# Altium PCB IPG.PcbDoc (part 4 of 10)
Units mm, origin at the board's own origin, x right, y up, seen from the top; angles counter-clockwise.
Board outline 69.6 x 90.73 mm, 10 copper layers (TOP, DHOR, DVERT, GND 1, POWER, GND 2, GND 3, AVERT, AHOR, BOT), stack 1.062 mm thick; 727 components, 391 nets, 2009 pads, 3077 vias.
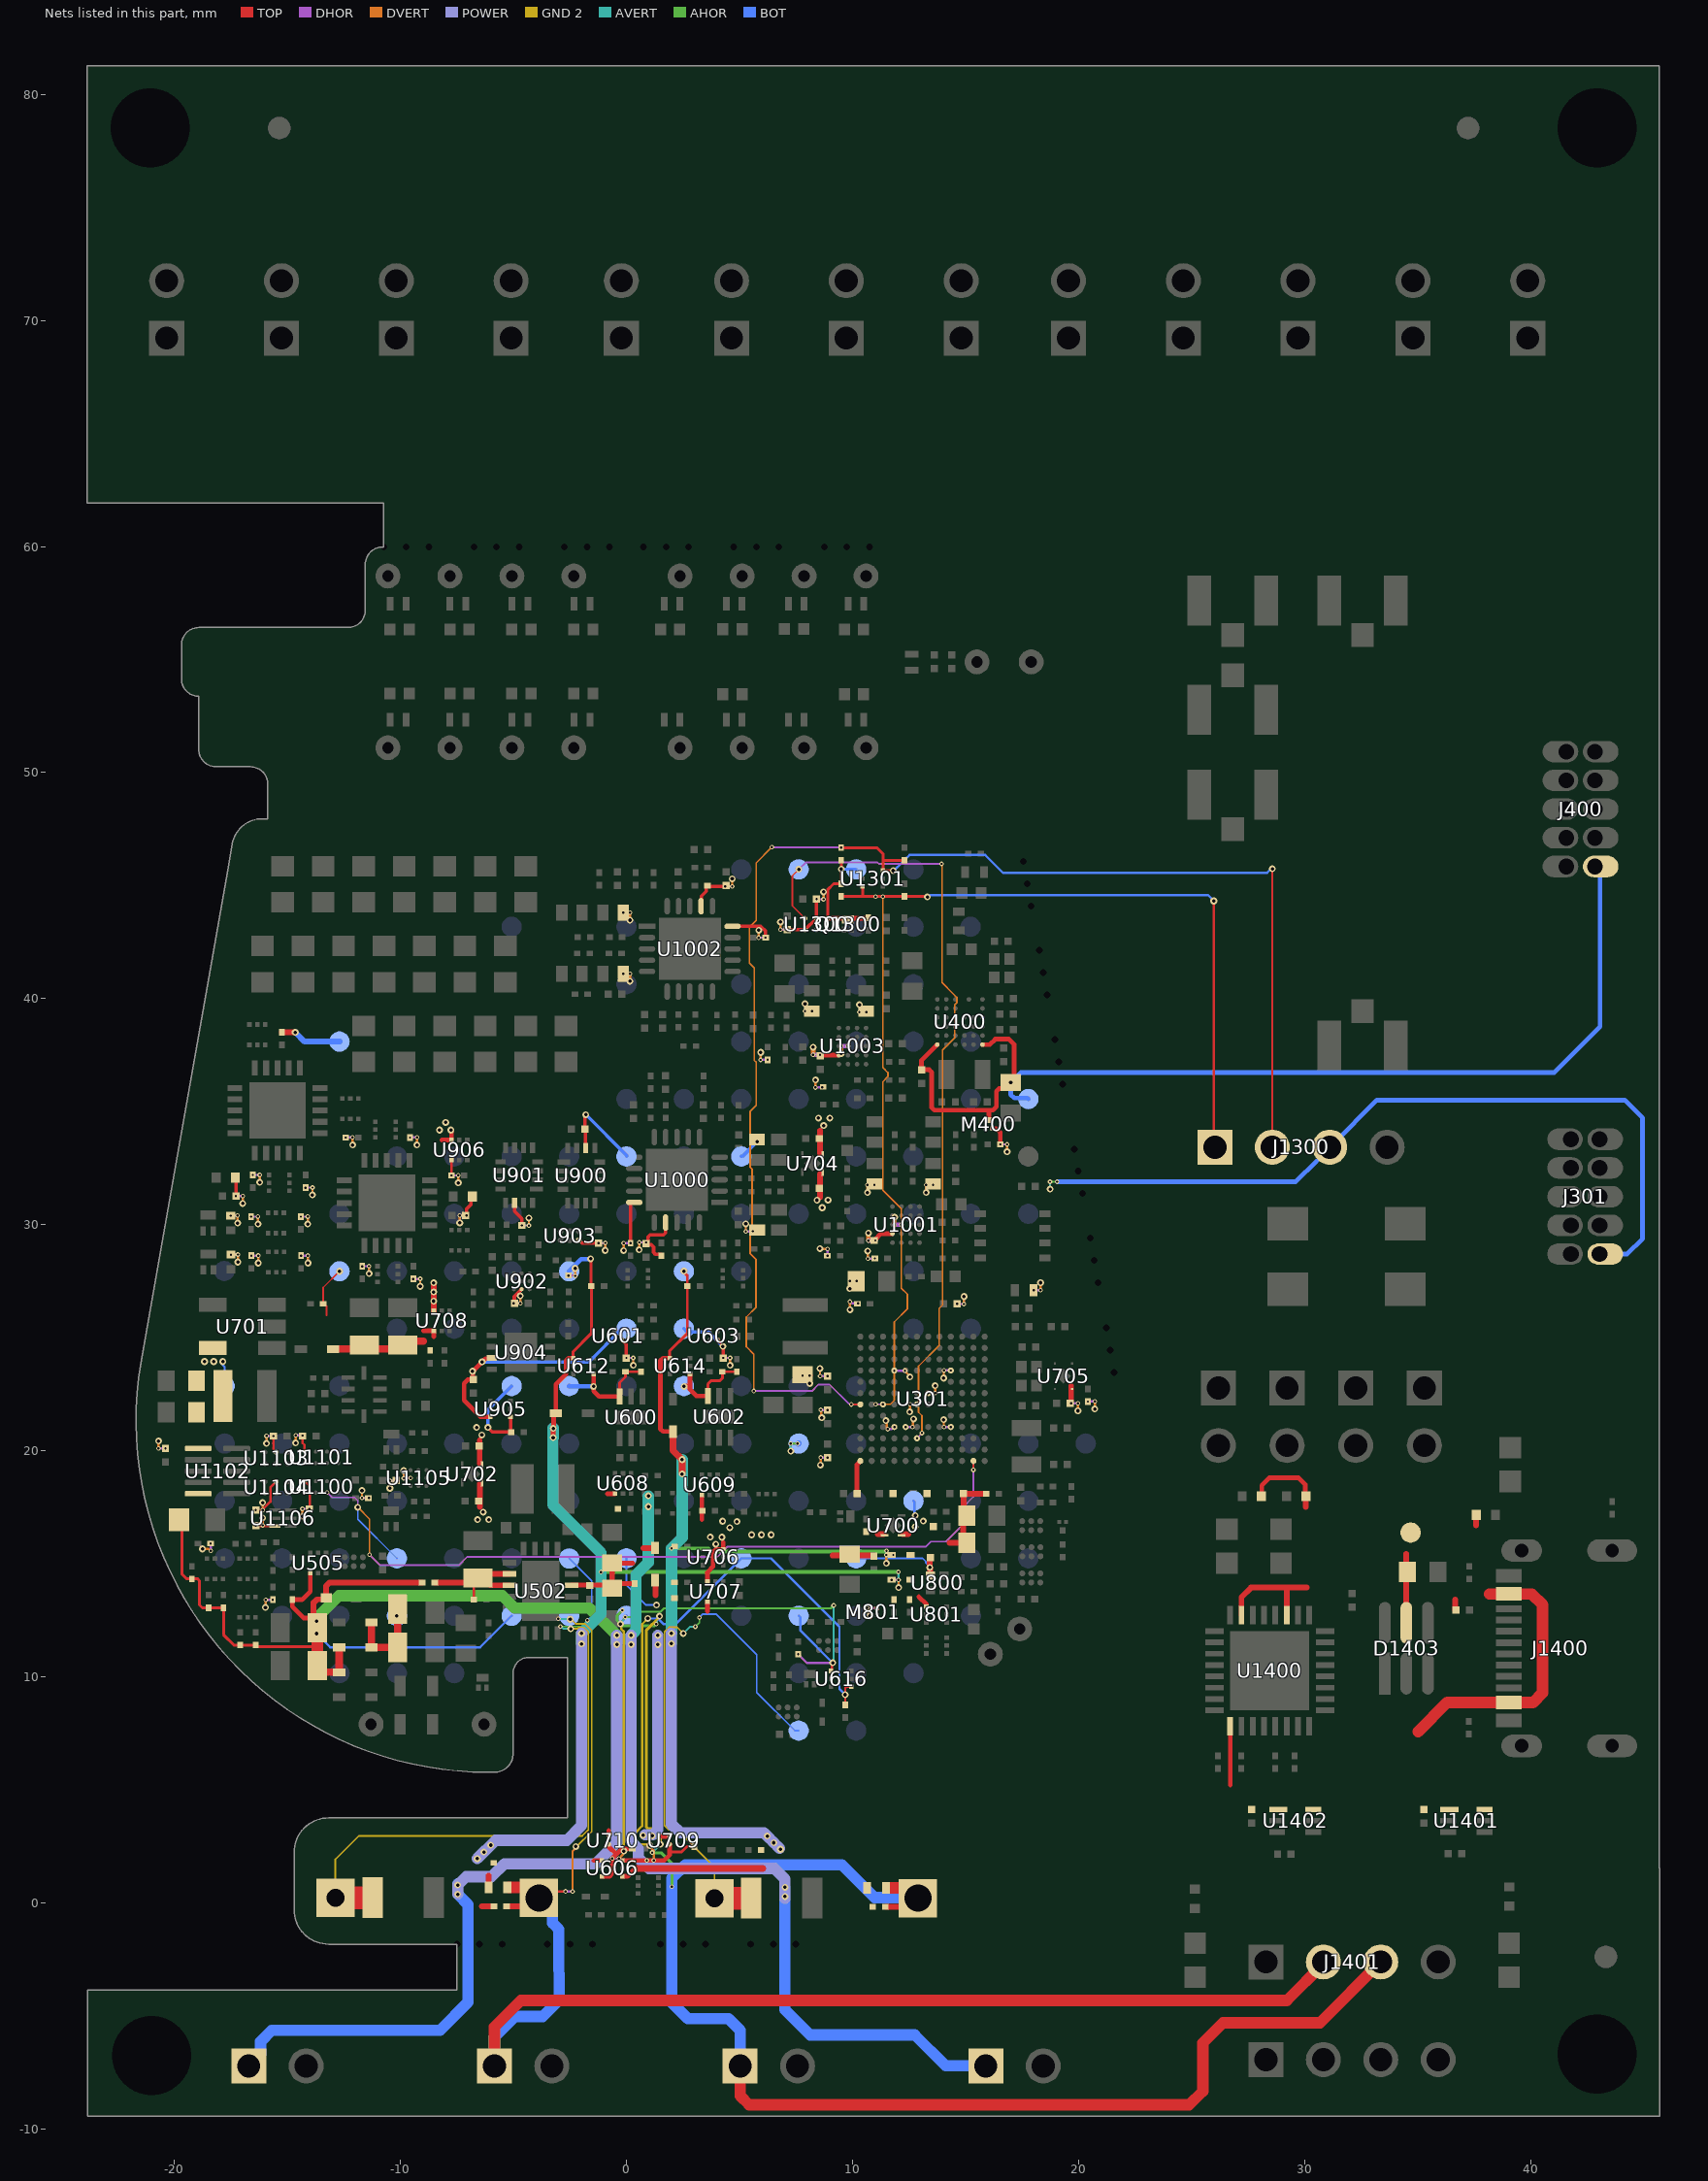
[diagram p12: the nets of this part, all layers, seen from the top]

## Part data (continued)
R1302 R1303 R1304: "Fixed Resistor, Metal Glaze/thick Film, 0.05W, 6800ohm, 30V, 1% +/-Tol, 200ppm/Cel, Surface Mount, 0201", Case/Package=0201, Manufacturer=Vishay, Max Operating Temperature=155°C, Medical Grade MFR=Mini-Systems, Medical Grade MFR PN=MWA96SM-6801F-NS62TR, Min Operating Temperature=-55°C, Package Height=0.23mm, Package Length=0.6mm, Package Shape=Rectangular, Package Style=SMTMeter, Package Width=0.3mm, Power=50mW, Rated Temperature=70°C, Resistor Type="FIXED RESISTOR", Supplier Part Number=541-CRCW02016K80FNEDCT-ND, Temperature Coefficient=200ppm/°C, Tolerance=1%, Working Voltage=30V, Category="Chip SMD Resistors", ComponentLink1Description=https://datasheet.ciiva.com:443/pdfs/VipMasterIC/IC/VISH/VISH-S-A0002932828/VISH-S-A0002932828-1.pdf?src-supplier=IHS+Markit, ComponentLink1URL=https://datasheet.ciiva.com:443/pdfs/VipMasterIC/IC/VISH/VISH-S-A0002932828/VISH-S-A0002932828-1.pdf?src-supplier=IHS+Markit, ComponentLink2Description=https://datasheet.ciiva.com/2577/crcw0201e3-2577241.pdf?src-supplier=Digikey, ComponentLink2URL=https://datasheet.ciiva.com/2577/crcw0201e3-2577241.pdf?src-supplier=Digikey, ComponentLink3Description=https://datasheet.ciiva.com/9060/crcw0201e3-9060860.pdf?src-supplier=Avnet, ComponentLink3URL=https://datasheet.ciiva.com/9060/crcw0201e3-9060860.pdf?src-supplier=Avnet, ComponentLink4Description=https://datasheet.ciiva.com/22674/1700795-22674684.pdf?src-supplier=Element14, ComponentLink4URL=https://datasheet.ciiva.com/22674/1700795-22674684.pdf?src-supplier=Element14, ComponentLink5Description=https://datasheet.ciiva.com/22700/1719906-22700351.pdf?src-supplier=Element14, ComponentLink5URL=https://datasheet.ciiva.com/22700/1719906-22700351.pdf?src-supplier=Element14, ComponentLink6Description=https://datasheet.ciiva.com/7672/1719906-7672744.pdf?src-supplier=Element14, ComponentLink6URL=https://datasheet.ciiva.com/7672/1719906-7672744.pdf?src-supplier=Element14, ComponentLink7Description=https://datasheet.ciiva.com/7672/1719906-7672745.pdf?src-supplier=Element14, ComponentLink7URL=https://datasheet.ciiva.com/7672/1719906-7672745.pdf?src-supplier=Element14, Construction=Chip, JESD-609 Code=e3, Manufacturer Part Number=CRCW02016K80FNED, Mounting Technology="Surface Mount", Packaging="Tape and Reel", Pins=2, Pricing="1=0,1, 10=0,037, 50=0,0242, 100=0,0204, 500=0,01426, 1000=0,01241, 5000=0,00924 (USD)", Reach SVHC Compliant=Yes, Reference Standard=AEC-Q200, RoHS=Yes, RoHS Compliant=Yes, Stock=40938, Supplier=Digikey, Supplier 1=Digikey, Supplier Part Number 1=541-CRCW02016K80FNEDCT-ND, Technology="METAL GLAZE/THICK FILM", Terminal Finish=Nickel, Termination=Wraparound
R1400 R1403 R1407 R1408 R1411: "Resistor 200 1%, 0402, Non Implant-grade", Manufacturer=Vishay, Medical Grade Manufacturer=None, Power="200 mW", Supplier Part Number=TBD, Supplier Part Number 1=71-CRCW0402200RFKEDH, Temperature Coefficient="100 ppm/°C", Tolerance=1%, Voltage Rating=50V, Category=Resistor, Height=0.3mm, Length=1mm, Manufacturer Part Number=CRCW0402200RFKEDHP, Medical Grade Manufacturer Part Number=None, Size Code=0402, Supplier=TBD, Supplier 1=Mouser, Supplier 2=Digikey, Supplier 3=Digikey, Supplier 4=Digikey, Supplier Part Number 2=541-200YCT-ND, Supplier Part Number 3=541-200YDKR-ND, Supplier Part Number 4=541-200YTR-ND, Width=0.5mm
R1405 R1409: "Fixed Resistor, Metal Glaze/thick Film, 0.05W, 5110ohm, 30V, 1% +/-Tol, 200ppm/Cel, Surface Mount, 0201", Case/Package=0201, Manufacturer=Vishay, Max Operating Temperature=155°C, Medical Grade MFR=Mini-Systems, Medical Grade MFR PN=MWA96SM-5111F-NS62TR, Min Operating Temperature=-55°C, Package Height=0.23mm, Package Length=0.6mm, Package Shape=Rectangular, Package Style=SMTMeter, Package Width=0.3mm, Power=50mW, Rated Temperature=70°C, Resistor Type="FIXED RESISTOR", Supplier Part Number=541-CRCW02015K11FNEDCT-ND, Temperature Coefficient=200ppm/°C, Tolerance=1%, Working Voltage=30V, Category="Chip SMD Resistors", ComponentLink1Description=https://datasheet.ciiva.com:443/pdfs/VipMasterIC/IC/VISH/VISH-S-A0002932828/VISH-S-A0002932828-1.pdf?src-supplier=IHS+Markit, ComponentLink1URL=https://datasheet.ciiva.com:443/pdfs/VipMasterIC/IC/VISH/VISH-S-A0002932828/VISH-S-A0002932828-1.pdf?src-supplier=IHS+Markit, ComponentLink2Description=https://datasheet.ciiva.com/2577/crcw0201e3-2577232.pdf?src-supplier=Digikey, ComponentLink2URL=https://datasheet.ciiva.com/2577/crcw0201e3-2577232.pdf?src-supplier=Digikey, ComponentLink3Description=https://datasheet.ciiva.com/9067/crcw0201e3-9067501.pdf?src-supplier=Avnet, ComponentLink3URL=https://datasheet.ciiva.com/9067/crcw0201e3-9067501.pdf?src-supplier=Avnet, ComponentLink4Description=https://datasheet.ciiva.com/22707/1719906-22707711.pdf?src-supplier=Element14, ComponentLink4URL=https://datasheet.ciiva.com/22707/1719906-22707711.pdf?src-supplier=Element14, ComponentLink5Description=https://datasheet.ciiva.com/7690/1719906-7690629.pdf?src-supplier=Element14, ComponentLink5URL=https://datasheet.ciiva.com/7690/1719906-7690629.pdf?src-supplier=Element14, Construction=Chip, JESD-609 Code=e3, Manufacturer Part Number=CRCW02015K11FNED, Mounting Technology="Surface Mount", Packaging="Tape and Reel", Pins=2, Pricing="1=0,1, 10=0,037, 50=0,0242, 100=0,0204, 500=0,01426, 1000=0,01241, 5000=0,00924 (USD)", Reach SVHC Compliant=Yes, Reference Standard=AEC-Q200, RoHS=Yes, RoHS Compliant=Yes, Stock=23740, Supplier=Digikey, Supplier 1=Digikey, Supplier Part Number 1=541-CRCW02015K11FNEDCT-ND, Technology="METAL GLAZE/THICK FILM", Terminal Finish=Nickel, Termination=Wraparound
R1500 R1501: "Fixed Resistor, Metal Glaze/thick Film, 0.2W, 499ohm, 50V, 1% +/-Tol, 100ppm/Cel, Surface Mount, 0402", Case/Package=0402, Manufacturer="Vishay Dale", Manufacturer Series=CRCW-HPE3, Max Operating Temperature=155°C, Medical Grade MFR=TBD, Min Operating Temperature=-55°C, Package Height=0.3mm, Package Length=1mm, Package Shape=Rectangular, Package Style=SMTMeter, Package Width=0.5mm, Power=200mW, Rated Temperature=70°C, Resistor Type="FIXED RESISTOR", Supplier Part Number=541-499YCT-ND, Supplier Part Number 1=71-CRCW0402499RFKEDH, Temperature Coefficient=100ppm/°C, Tolerance=1%, Working Voltage=50V, Category="Chip SMD Resistors", ComponentLink1Description=https://datasheet.ciiva.com:443/pdfs/VipMasterIC/IC/VISH/VISH-S-A0009391795/VISH-S-A0009391795-1.pdf?src-supplier=IHS+Markit, ComponentLink1URL=https://datasheet.ciiva.com:443/pdfs/VipMasterIC/IC/VISH/VISH-S-A0009391795/VISH-S-A0009391795-1.pdf?src-supplier=IHS+Markit, ComponentLink2Description=https://datasheet.ciiva.com/5540/crcwhpe3-46056-5540816.pdf?src-supplier=Mouser, ComponentLink2URL=https://datasheet.ciiva.com/5540/crcwhpe3-46056-5540816.pdf?src-supplier=Mouser, ComponentLink3Description=https://datasheet.ciiva.com/8932/crcwhpe3-8932421.pdf?src-supplier=Avnet, ComponentLink3URL=https://datasheet.ciiva.com/8932/crcwhpe3-8932421.pdf?src-supplier=Avnet, Construction=Chip, JESD-609 Code=e3, Manufacturer Part Number=CRCW0402499RFKEDHP, Medical Grade MFR PN=TBD, Mounting Technology="Surface Mount", Packaging="Tape and Reel", Pins=2, Pricing="1=0.13, 10=0.061, 50=0.0402, 100=0.0341, 500=0.024, 1000=0.02091, 5000=0.01572 (USD)", Reach SVHC Compliant=Yes, Reference Standard=AEC-Q200, RoHS=Yes, RoHS Compliant=Yes, Series="CRCW-HP E3", Stock=50100, Supplier=Digikey, Supplier 1=Mouser, Technology="METAL GLAZE/THICK FILM", Terminal Finish=Nickel, Termination=Wraparound
SW700: "Pushbutton, NO-MOM, 12V, 0.05A, SMT", Manufacturer=C&K, Package Description=SMT, Rating=12V,0.05A, Supplier Part Number 1=PTS647SN50SMTR2LFSCT-ND, Category=Pushbutton, Length (mm)="6.5 ±0.20", Manufacturer Part Number=PTS647SN50SMTR2LFS, Supplier 1=Digi-Key, Thickness (mm)="1.55 ±0.15", Width (mm)=4.5
TP300 TP301 TP302 TP303 TP304 TP305 TP400 TP401 TP402 TP403 TP404 TP405 TP406 TP500 TP501 TP502 TP503 TP504 TP505 TP506 TP507 TP508 TP509 TP510 TP511 TP512 TP513 TP514 TP515 TP600 TP601 TP602 TP603 TP604 TP605 TP606 TP607 TP608 TP609 TP610 TP611 TP612 TP613 TP614 TP615 TP616 TP617 TP618 TP619 TP620 TP621 TP622 TP623 TP624 TP625 TP626 TP627 TP628 TP629 TP630 TP631 TP632 TP633 TP634 TP635 TP700 TP701 TP702 TP703 TP704 TP705 TP706 TP707 TP708 TP709 TP710 TP711 TP712 TP713 TP714 TP800 TP801 TP802 TP803 TP900 TP901 TP902 TP903 TP904 TP905 TP906 TP907 TP908 TP909 TP910 TP1000 TP1001 TP1003 TP1004 TP1005 TP1006 TP1007 TP1008 TP1009 TP1010 TP1011 TP1012 TP1013 TP1014 TP1015 TP1016 TP1017 TP1018 TP1019 TP1020 TP1021 TP1100 TP1101 TP1104 TP1105 TP1107 TP1108 TP1109 TP1110 TP1111 TP1112 TP1113 TP1114 TP1115 TP1300 TP1301 TP1302 TP1402 TP1405 TP1406 TP1500 TP1501 TP1502: "Test pad, 0.90mm circular pad", Manufacturer=N/A, Category="Test point", Length (mm)=0.90, Manufacturer PN=N/A, Medical Grade MFR=N/A, Medical Grade MFR PN=N/A, PCB Footprint=testpad_0p90mm, Rating=N/A, Thickness (mm)=N/A, Width (mm)=0.90
U300: "FRAM, 8 Mbit (1024k x 8), SPI, 1.8-3.6V, QFN-8", Manufacturer="Cypress Semiconductor", Medical Grade MFR=TBD, Rating=3.6V, Category=IC, Length (mm)="3.28 ±0.05", Manufacturer Part Number=CY15B108QN-20LPXC, Medical Grade MFR PN=TBD, Package Description=TBD, PCB Footprint=TBD, Supplier 1=Heisener, Supplier Part Number 1=CY15B108QN-20LPXC, Thickness (mm)="0.50 ±0.05", Width (mm)="3.23 ±0.05"
U301: "Microcontroller, ARM Cortex-M33, 2.0 MB Flash, 786 kB RAM, BGA-132 pins with dedicated pinout supporting SMPS step-down converter", Manufacturer=STMicro, Medical Grade MFR=TBD, Supplier Part Number 1=511-STM32U585QII6Q, Category=IC, Length (mm)="7.00 ±0.15", Manufacturer Part Number=STM32U585QII6Q, Medical Grade MFR PN=TBD, Package Description=TBD, PCB Footprint=TBD, Rating=TBD, Supplier 1=Mouser, Thickness (mm)=0.60, Width (mm)="7.00 ±0.15"
U400: "Bluetooth radio, v5.0, 192 kB Flash, 24 kB RAM, BGA-33", Manufacturer=Nordic, Medical Grade MFR=TBD, Supplier Part Number 1=4823-NRF52810-CAAA-E-R7CT-ND, Category=IC, Length (mm)=2.48, Manufacturer Part Number=NRF52810-CAAA-E-R7, Medical Grade MFR PN=TBD, Package Description=TBD, PCB Footprint=TBD, Rating=TBD, Supplier 1=DigiKey, Thickness (mm)="0.48 ±0.06", Width (mm)=2.46
U500 U501 U503 U504 U604 U605 U903: "Op Amp, Rail-to-Rail, 95kHz, WLCSP-6", Manufacturer="Analog Devices", Medical Grade MFR=TBD, Rating=5.5V, Supplier Part Number 1=AD8505ACBZ-R7CT-ND, Category=IC, Length (mm)="1.39 ±0.04", Manufacturer Part Number=AD8505ACBZ-R7, Medical Grade MFR PN=TBD, Package Description=TBD, PCB Footprint=TBD, Supplier 1=Digi-Key, Thickness (mm)="0.56 ±0.05", Width (mm)="0.90 ±0.04"
U502: "Buck-Boost Converter, Selectable Voltage, QFN-20", Manufacturer="Analog Devices", Medical Grade MFR=TBD, Rating=25V, Supplier Part Number 1=LTC3130IUDC-1#PBF-ND, Category=IC, Length (mm)="4.00 ±0.10", Manufacturer Part Number=LTC3130IUDC-1#PBF, Medical Grade MFR PN=TBD, PackageDescription=TBD, PCB Footprint=TBD, Supplier 1=Digi-Key, Thickness (mm)="0.75 ±0.05", Width (mm)="3.00 ±0.10"
U505 U507 U608 U609 U706 U707 U708 U905 U906: "MOSFET N/P-CH 30V 0.22A SOT963", Manufacturer="Diodes inc.", Package=SOT-963, Power Dissipation=350mW, Supplier Part Number 1=DMC31D5UDJ-7DICT-ND, Category=Transistors, Cin=22.6pF, Id(Max)=-200mA, Manufacturer Part Number=DMC31D5UDJ-7, Number of Channels=2, RoHS="RoHS 2", Ron(Max)=4.5Ohm, Supplier 1=Digikey, Type="MOSFET array", Vds(Max)=30V, Vgs(Max)=±12V, Vth(Max)=-1.0V
U506 U508 U607 U610 U611 U613 U615 U802 U1301 U1502 U1503 U1504 U1505 U1506 U1507: "MOSFET 2N-CH 30V 0.22A SOT963", Manufacturer="Diodes inc.", Package=SOT-963, Power Dissipation=350mW, Supplier Part Number 1=31-DMN31D5UDJ-7CT-ND, Category=Transistors, Cin=22.6pF, Id(Max)=220mA, Manufacturer Part Number=DMN31D5UDJ-7, Number of Channels=2, RoHS="RoHS 2", Ron(Max)=4.5Ohm, Supplier 1=Digikey, Type="MOSFET array", Vds(Max)=30V, Vgs(Max)=±12V, Vth(Max)=1.0V
U600 U602: "Charge Controller, 4.2V, 250mA, DFN-6", Alt Manufacturer=-, Manufacturer="Linear Technology", Medical Grade MFR=TBD, Rating=250mA, Supplier Part Number 1=505-LTC4065LEDC#TRPBFCT-ND, Alt Manufacturer PN=-, Category=IC, Datasheet=https://datasheet.ciiva.com/pdfs/VipMasterIC/IC/ANDI/ANDI-S-A0006647666/ANDI-S-A0006647666-1.pdf?src-supplier=IHS+Markit, Length (mm)="2.00 ±0.10", Manufacturer Part Number=LTC4065LEDC#TRPBF, Medical Grade MFR PN=TBD, PCB Footprint=TBD, Supplier 1=Digi-Key, Supplier Link=https://www.analog.com/en/products/ltc4065l.html, Thickness (mm)="0.75 ±0.05", Width (mm)="2.00 ±0.10"
U601 U603: "Comparator, 1.2V Reference, Open-drain, BGA-4", Manufacturer="Texas Instruments", Medical Grade MFR=TBD, Supplier Part Number 1=296-TLV4021R1YKARCT-ND, Category=IC, Length (mm)="0.73 ±0.03", Manufacturer Part Number=TLV4021R1YKAR, Medical Grade MFR PN=TBD, Package Description=TBD, PCB Footprint=TBD, Rating=TBD, Supplier 1=Digi-Key, Thickness (mm)=0.40
U606 U612 U614 U616 U801: "MOSFET 2P-CH 20V 0.36A SOT963", Manufacturer="Diodes inc.", Package=SOT-963, Power Dissipation=380mW, Supplier Part Number 1=31-DMP22D5UDJ-7DKR-ND, Category=Transistors, Cin=17pF, Id(Max)=-360mA, Manufacturer Part Number=DMP22D5UDJ-7, Number of Channels=2, RoHS="RoHS 2", Ron(Max)=5Ohm, Supplier 1=Digikey, Type="MOSFET array", Vds(Max)=-20V, Vgs(Max)=±8V, Vth(Max)=-1.0V
U700 U702 U704: "LDO Regulator, 3.3V, Shutdown, DFN1010-4", Manufacturer="Diodes Inc", Medical Grade MFR=TBD, Rating=3.3V, Supplier Part Number 1=AP7354D-33FS4-7DICT-ND, Category=IC, Length (mm)="1.00 ±0.05", Manufacturer Part Number=AP7354D-33FS4-7, Medical Grade MFR PN=TBD, Package Description=TBD, PCB Footprint=TBD, Supplier 1=Digi-Key, Supplier Link=https://octopart.com/search?q=AP7354D-33FS4-7&filter%5Bfields%5D%5Bbrand.name%5D%5B%5D=Diodes+Inc.4-7, Thickness (mm)="0.39 ±0.01", Width (mm)="1.00 ±0.05"
U701: "Boost, SEPIC Switching Regulator IC Positive Adjustable 1.23V 1 Output 75mA (Switch) SOT-23-5", Manufacturer="Linear Technology", Medical Grade MFR=TBD, Rating="100 mA", Supplier Part Number 1=505-LT1615ES5-1#TRPBFCT-ND, Category=IC, Length (mm)="2.80 ±0.20", Manufacturer Part Number=LT1615ES5-1#TRPBF, Medical Grade MFR PN=TBD, Package Description=TBD, PCB Footprint=TBD, Supplier 1=Digi-Key, Thickness (mm)=1.00, Width (mm)="2.95 ±0.15"
U703: "Digital potentiometer, 256 taps, 100k, I2C, QFN-10", Manufacturer=Renesas, Medical Grade MFR=TBD, Supplier Part Number 1=ISL23315TFRUZ-T7ACT-ND, Category=IC, Length (mm)=2.10, Manufacturer Part Number=ISL23315TFRUZ-T7A, Medical Grade MFR PN=TBD, Package Description=TBD, PCB Footprint=TBD, Rating=TBD, Supplier 1=Digi-Key, Thickness (mm)=0.55, Width (mm)=1.60
U705: "Reset Monitor, 2.63V, Active low, X2SON", Manufacturer="Texas Instruments", Medical Grade MFR=TBD, Rating=N/A, Supplier Part Number 1=296-40754-1-ND, Category=IC, Length (mm)="1.00 ±0.05", Manufacturer Part Number=TPS3831L30DQNR, Medical Grade MFR PN=TBD, Package Description=TBD, PCB Footprint=TBD, Supplier 1=Digi-Key, Thickness (mm)=0.40, Width (mm)="1.00 ±0.05"
U709 U710: "OR Controller Source Selector Switch P-Channel 1:1 4-WLP (0.73x0.73)", Current - Output (Max)=1.2A, Manufacturer="Maxim Integrated", Supplier Part Number 1=MAX40200ANS+TCT-ND, Voltage - Supply="1.5V ~ 5.5V", Manufacturer Part Number=MAX40200ANS+T, Mounting Type=SMD, Supplier 1=Digikey
U800: "Magnet Sensor, 15 Gauss, ULLGA4, Implant-grade", Manufacturer=NVE, Medical Grade MFR PN=BD020-14E, Package Description=TBD, Rating=N/A, Supplier Part Number 1=391-ADL021-14ECT-ND, Category=IC, Length (mm)=1.10, Manufacturer Part Number=ADL021-14E, Medical Grade MFR=NVE, PCB Footprint=TBD, Supplier 1=Digi-Key, Thickness (mm)=0.40, Width (mm)=1.10
U900: "2 Circuit IC Switch 4:1 78Ohm 16-miniQFN (1.8x2.6)", Manufacturer Name=Vishay, Supplier Part Number 1=78-DG4052EEN-T1-GE4, Category=IC, Height=0.6mm, Manufacturer Part Number=DG4052EEN-T1-GE4, Supplier 1=Mouser, Supplier 2=Digikey, Supplier 3=Digikey, Supplier 4=Digikey, Supplier Part Number 2=DG4052EEN-T1-GE4CT-ND, Supplier Part Number 3=DG4052EEN-T1-GE4DKR-ND, Supplier Part Number 4=DG4052EEN-T1-GE4TR-ND, Type=Switch
U901: "2 Circuit IC Switch 4:1 78Ohm 16-miniQFN (1.8x2.6)", Manufacturer Name=Vishay, Supplier Part Number 1=78-DG4053EEN-T1-GE4, Category=IC, Height=0.6mm, Manufacturer Part Number=DG4053EEN-T1-GE4, Supplier 1=Mouser, Supplier 2=Digikey, Supplier 3=Digikey, Supplier 4=Digikey, Supplier Part Number 2=DG4053EEN-T1-GE4CT-ND, Supplier Part Number 3=DG4053EEN-T1-GE4DKR-ND, Supplier Part Number 4=DG4053EEN-T1-GE4TR-ND, Type=Switch
U902: library part TLV9002SIYCKR_B, "Op Amp, Dual, Rail-to-Rail, 1MHz, BGA-9", Manufacturer="Texas Instruments", Medical Grade MFR=TBD, Rating=5.5V, Supplier Part Number 1=595-TLV9002SIYCKR, Category=IC, Length (mm)="0.95 ±0.03", Manufacturer Part Number=TLV9002SIYCKR, Medical Grade MFR PN=TBD, Package Description=TBD, PCB Footprint=TBD, Supplier 1=Mouser, Thickness (mm)=0.33, Width (mm)="0.95 ±0.03"
U904: "Differential Amplifier, 110 MHz, DFN-8", Manufacturer="Analog Devices", Medical Grade MFR=TBD, Supplier Part Number 1=505-AD8137YCPZ-REEL7CT-ND, Category=IC, Length (mm)="3.00 ±0.10", Manufacturer Part Number=AD8137YCPZ-REEL7, Medical Grade MFR PN=TBD, Package Description=TBD, PCB Footprint=TBD, Rating=TBD, Supplier 1=Digi-Key, Thickness (mm)="0.75 ±0.05", Width (mm)="3.00 ±0.10"
U1000 U1002: "Analog Circuit, 1 Func, 1 Channel", Case/Package=HVQCCN, Current supply=170uA, Manufacturer="Analog Devices", Max Operating Temperature=85°C, Max Supply Voltage=3.5V, Min Operating Temperature=-40°C, Min Supply Voltage=2V, Nominal Supply Voltage=3V, Package Shape=Square, Package Style="CHIP CARRIER, HEAT SINK/SLUG, VERY THIN PROFILEMeter", Supplier Part Number=584-AD8232ACPZ-R7, Temperature Grade=INDUSTRIAL, Voltage supply=2-3.5V, Bandwidth=2kHz, Category="Amplifiers - Op Amps, Buffer, Instrumentation", Channels=1, CMRR=80dB, ComponentLink1Description=https://datasheet.ciiva.com:443/pdfs/VipMasterIC/IC/ANDI/ANDI-S-A0005264682/ANDI-S-A0005264682-1.pdf?src-supplier=IHS+Markit, ComponentLink1URL=https://datasheet.ciiva.com:443/pdfs/VipMasterIC/IC/ANDI/ANDI-S-A0005264682/ANDI-S-A0005264682-1.pdf?src-supplier=IHS+Markit, ComponentLink2Description=https://datasheet.ciiva.com/6579/ad8232-6579751.pdf?src-supplier=Digi-Key, ComponentLink2URL=https://datasheet.ciiva.com/6579/ad8232-6579751.pdf?src-supplier=Digi-Key, ComponentLink3Description=https://datasheet.ciiva.com/6579/ad8232-6579754.pdf?src-supplier=Digi-Key, ComponentLink3URL=https://datasheet.ciiva.com/6579/ad8232-6579754.pdf?src-supplier=Digi-Key, ComponentLink4Description=https://datasheet.ciiva.com/6579/ad8232-6579770.pdf?src-supplier=Digi-Key, ComponentLink4URL=https://datasheet.ciiva.com/6579/ad8232-6579770.pdf?src-supplier=Digi-Key, Gain=100V/V, Height - Seated (Max)=0.8mm, JESD-30 Code=S-XQCC-N20, Length=4mm, Manufacturer Part Number=AD8232ACPZ-R7, Pins=20, Pricing="1=4,71, 10=4,07, 50=4,07, 100=3,57, 1000=2,53, 10000=2,37 (USD)", Reach SVHC Compliant=Yes, RoHS=Yes, RoHS Compliant=Yes, Stock=3930, Supplier=Mouser, Supplier 1=Mouser, Supplier Part Number 1=584-AD8232ACPZ-R7, Surface Mount=Yes, Terminal Form="No Lead", Terminal Pitch=0.5mm, Terminal Position=QUAD, Throw Configuration="ANALOG CIRCUIT", Width=4mm
U1001 U1003: "Analog front end, ECG, RLD amp, BGA-20", Current supply=50uA, Manufacturer="Analog Devices", Medical Grade MFR=TBD, Supplier Part Number 1=505-AD8233ACBZ-R7CT-ND, Voltage supply=1.7-3.5V, Bandwidth=1kHz, Category=IC, CMRR=86dB, Gain=40dB, Length (mm)="2.04 ±0.04", Manufacturer Part Number=AD8233ACBZ-R7, Medical Grade MFR PN=TBD, Package Description=TBD, PCB Footprint=TBD, Rating=TBD, Supplier 1=Digi-Key, Thickness (mm)="0.50 ±0.06", Width (mm)="1.71 ±0.04"
U1100: "Monostable, RC set, dual triggers, BGA-8", Manufacturer="Texas Instruments", Medical Grade MFR=TBD, Supplier Part Number 1=296-21058-1-ND, Category=IC, Length (mm)="1.89 ±0.03", Manufacturer Part Number=SN74LVC1G123YZPR, Medical Grade MFR PN=TBD, Package Description=TBD, PCB Footprint=TBD, Rating=TBD, Supplier 1=Digi-Key, Thickness (mm)=0.50, Width (mm)="0.89 ±0.03"
U1101: "AND gate, Dual 2-input, BGA-8", Manufacturer="Texas Instruments", Medical Grade MFR=TBD, Supplier Part Number 1=296-14371-1-ND, Category=IC, Length (mm)="1.89 ±0.03", Manufacturer Part Number=SN74LVC2G08YZPR, Medical Grade MFR PN=TBD, Package Description=TBD, PCB Footprint=TBD, Rating=TBD, Supplier 1=Digi-Key, Thickness (mm)=0.50, Width (mm)="0.89 ±0.03"
U1102: "DAC, 16-bit, Dual channel, SPI/I2C, WSON-10", Manufacturer="Texas Instruments", Medical Grade MFR=N/A, Rating=2.7-5.5V, Supplier Part Number 1=296-DAC80502DRXTCT-ND, Category=IC, Length (mm)="2.50 ±0.10", Manufacturer Part Number=DAC80502DRXT, Medical Grade MFR PN=N/A, Package Description=N/A, PCB Footprint=N/A, Supplier 1=Digi-Key, Thickness (mm)="0.75 ±0.05", Width (mm)="2.50 ±0.10"
U1103 U1104 U1300: "Analog Switch, SPDT, 2:1, DSBGA6", Manufacturer="Texas Instruments", Medical Grade MFR=TBD, Rating=5.0V, Supplier Part Number 1=296-18671-1-ND, Category=IC, Length (mm)="1.39 ±0.03", Manufacturer Part Number=TS5A3159AYZPR, Medical Grade MFR PN=TBD, Package Description=TBD, PCB Footprint=TBD, Supplier 1=Digi-Key, Thickness (mm)="0.50 ±0.10", Width (mm)="0.89 ±0.03"
U1105: "Op Amp, Dual, Rail-to-Rail, 1MHz, BGA-9", Manufacturer="Texas Instruments", Medical Grade MFR=TBD, Rating=5.5V, Supplier Part Number 1=296-TLV9002SIYCKRCT-ND, Category=IC, Length (mm)="0.95 ±0.03", Manufacturer Part Number=TLV9002SIYCKR, Medical Grade MFR PN=TBD, Package Description=TBD, PCB Footprint=TBD, Supplier 1=Digi-Key, Thickness (mm)=0.33, Width (mm)="0.95 ±0.03"
U1106: "OR Gate IC 1 Channel 6-XSON, SOT1202 (1x1)", Manufacturer=Nexperia, Operating Supply Current="4 uA", Supplier Part Number=TBD, Supplier Part Number 1=771-74LVC1G32GS132, Category="Logic Gate", Height=0.46, Manufacturer Part Number=74LVC1G32GS,132, Mounting Type=SMD, Shutdown Capabilities=No, Supplier=TBD, Supplier 1=Mouser, Supplier 2=Digikey, Supplier 3=Digikey, Supplier 4=Digikey, Supplier Part Number 2=1727-74LVC1G32GS,132CT-ND, Supplier Part Number 3=1727-74LVC1G32GS,132DKR-ND, Supplier Part Number 4=1727-74LVC1G32GS,132TR-ND, Type=OR
U1400: "IC USB TO SERIAL BRIDGE 32QFN", Manufacturer=Infineon, Package=32-QFN, Supplier Part Number 1=CY7C65215-32LTXI-ND, Category=ICs, Manufacturer Part Number=CY7C65215-32LTXI, RoHS=Yes, Supplier 1=Digikey, Type="USB to Serial Bridge"
U1401 U1402: "Fixed Positive LDO Regulator, 3.7V, 0.375V Dropout, PDSO6", Case/Package=VSON, Manufacturer="Texas Instruments", Max Supply Voltage=5.5V, Min Input Voltage=2V, Operating Temperature, TJ-Max=125°C, Operating Temperature, TJ-Min=-40°C, Output Current1-Max=300mA, Output Voltage1-Max=3.774V, Output Voltage1-Min=3.626V, Output Voltage1-Nom=3.7V, Package Body Material=Plastic, Package Shape=Square, Package Style="SMALL OUTLINE, VERY THIN PROFILEMeter", Peak Reflow Temperature (Cel)=260°C, Supplier Part Number=296-TLV70237DSETCT-ND, Category="Voltage Regulators - Linear", Channels=1, ComponentLink1Description=https://www.ti.com:443/lit/ds/symlink/tlv702.pdf?src-supplier=IHS+Markit, ComponentLink1URL=https://www.ti.com:443/lit/ds/symlink/tlv702.pdf?src-supplier=IHS+Markit, ComponentLink2Description=http://www.ti.com/lit/ds/symlink/tlv702.pdf?src-supplier=Digi-Key, ComponentLink2URL=http://www.ti.com/lit/ds/symlink/tlv702.pdf?src-supplier=Digi-Key, ComponentLink3Description=http://www.ti.com/lit/ds/symlink/tlv70237.pdf?src-supplier=Avnet, ComponentLink3URL=http://www.ti.com/lit/ds/symlink/tlv70237.pdf?src-supplier=Avnet, Height - Seated (Max)=0.8mm, JESD-30 Code=S-PDSO-N6, JESD-609 Code=e4, Length=1.5mm, Manufacturer Part Number=TLV70237DSET, Moisture Sensitivity Level=1, Pins=6, Pricing="1=1,11, 10=0,992, 25=0,9416, 100=0,7736 (USD)", Reach SVHC Compliant=Yes, Regulator Type="FIXED POSITIVE SINGLE OUTPUT LDO REGULATOR", RoHS=Yes, RoHS Compliant=Yes, Stock=1935, Supplier=Digi-Key, Supplier 1=Digi-Key, Supplier Part Number 1=296-TLV70237DSETCT-ND, Surface Mount=Yes, Terminal Finish=Nickel, Terminal Form="No Lead", Terminal Pitch=0.5mm, Terminal Position=DUAL, Width=1.5mm
U1500 U1501: "IC SWITCH SPDTX4 4.5OHM 20LFCSP", Manufacturer="Analog Devices", Medical Grade MFR=N/A, Package Description=TBD, Supplier Part Number 1=505-ADG1634BCPZ-REEL7CT-ND, Category=IC, Length (mm)="4.00 ±0.10", Manufacturer Part Number=ADG1634BCPZ-REEL7, Medical Grade MFR PN=N/A, PCB Footprint=TBD, Rating=TBD, Supplier 1=Digi-Key, Thickness (mm)="0.75 ±0.05", Width (mm)="4.00 ±0.10"
X100 X101 X102 X103 X104 X105: "FIDUCIAL_MARK", Manufacturer PN=FIDUCIAL
X106 X107 X108: library part HOLE_UNPLATED, "Hole, Unplated"
Y300: "48 MHz Â±10ppm Crystal 10pF 100 Ohms 4-SMD, No Lead", Manufacturer="ECS Inc.", Medical Grade MFR=TBD, Package Description="4-SMD, No Lead", Rating=N/A, Supplier Part Number 1=XC3037CT-ND, Category=Crystal, Length (mm)=1.20, Manufacturer Part Number=ECS-480-10-48-CKY-TR, Medical Grade MFR PN=TBD, PCB Footprint=TBD, Supplier 1=Digi-Key, Thickness (mm)=0.33, Width (mm)=1.00
Y301 Y401: "CRYSTAL 32.7680KHZ 6PF SMD", Manufacturer="Micro Crystal", Medical Grade MFR PN=CC8V-T1A32.768kHz6.0pF±20ppmTAQM, Package Description=CC8V, Rating=N/A, Supplier Part Number 1=2195-CM8V-T1A-32.768KHZ-6PF-20PPM-TA-QCCT-ND, Category=Crystal, Length (mm)=2.00, Manufacturer Part Number=CM8V-T1A-32.768KHZ-6PF-20PPM-TA-QC, Medical Grade MFR="Micro Crystal", PCB Footprint=TBD, Review=020823, Status=Approved, Supplier 1=Digi-Key, Thickness (mm)=0.67, Width (mm)=1.20
Y400: "32 MHz Â±10ppm Crystal 10pF 100 Ohms 4-SMD, No Lead", Manufacturer="ECS Inc.", Medical Grade MFR=TBD, Package Description="4-SMD, No Lead", Rating=N/A, Supplier Part Number 1=XC3036CT-ND, Category=Crystal, Length (mm)=1.20, Manufacturer Part Number=ECS-320-10-48-CKY-TR, Medical Grade MFR PN=TBD, PCB Footprint=TBD, Supplier 1=Digi-Key, Thickness (mm)=0.33, Width (mm)=1.00

## Free pads (board coordinates)
  round 0 hole 0.3 unplated paste-2539.97 mask-10: 1(-10.747,59.977) 1(-9.749,59.977) 1(-8.75,59.977) 1(-7.497,-1.829) 1(-6.747,59.977) 1(-6.499,-1.829) 1(-5.749,59.977) 1(-5.5,-1.829) 1(-4.75,59.977) 1(-3.497,-1.826) 1(-2.747,59.98) 1(-2.499,-1.826) 1(-1.749,59.98) 1(-1.5,-1.826) 1(-0.75,59.98) 1(0.75,59.982) 1(1.5,-1.824) 1(1.749,59.982) 1(2.499,-1.824) 1(2.747,59.982) 1(3.497,-1.824) 1(4.747,59.982) 1(5.5,-1.826) 1(5.749,59.98) 1(6.499,-1.826) 1(6.745,59.982) 1(7.497,-1.826) 1(8.75,59.98) 1(9.746,59.982) 1(10.747,59.98) 1(17.566,46.075) 1(17.739,45.09) 1(17.912,44.104) 1(18.272,42.141) 1(18.446,41.156) 1(18.619,40.17) 1(18.96,38.195) 1(19.133,37.21) 1(19.306,36.225) 1(19.822,33.349) 1(19.995,32.364) 1(20.168,31.379) 1(20.513,29.413) 1(20.686,28.428) 1(20.859,27.442) 1(21.23,25.439) 1(21.404,24.454) 1(21.577,23.468)
  round 0 hole 3.5 unplated paste-2539.97 mask+0.102: 2(-21.01,-6.754)

## Via types
v1: diameter 0.203, hole 0.102, TOP to DHOR, tented top, 723 vias
v2: diameter 0.203, hole 0.102, DHOR to DVERT, tented top, 643 vias
v3: diameter 0.305/0.305/0/0.305/0.305/0.305 (per signal layer), hole 0.152, DVERT to AVERT, tented top, 439 vias
v4: diameter 0.305/0.305/0/0.305/0.305/0.305 (per signal layer), hole 0.152, DVERT to AVERT, 388 vias
v5: diameter 0.305, hole 0.152, TOP to BOT, 265 vias
v6: diameter 0.305/0.305/0.305/0.305/0/0.305/0.305/0.305/0.305/0.305 (per signal layer), hole 0.152, TOP to BOT, tented both sides, 133 vias
v7: diameter 0.305/0.305/0.305/0.305/0.305/0.305 (per signal layer), hole 0.152, DVERT to AVERT, tented top, 106 vias
v8: diameter 0.203, hole 0.102, AVERT to AHOR, tented top, 100 vias
v9: diameter 0.305, hole 0.152, TOP to BOT, tented both sides, 83 vias
v10: diameter 0.305/0/0/0.305/0/0.305/0.305/0/0/0.305 (per signal layer), hole 0.152, TOP to BOT, tented both sides, 67 vias
v11: diameter 0.305/0.305/0.305/0.305/0.305/0.305/0.305/0.305/0.305/0.305 (per signal layer), hole 0.152, TOP to BOT, tented both sides, 64 vias
v12: diameter 0.203, hole 0.102, AHOR to BOT, tented both sides, 31 vias
v13: diameter 0.203/0.203 (per signal layer), hole 0.102, DHOR to DVERT, tented top, 9 vias
v14: diameter 0.203/0.203 (per signal layer), hole 0.102, TOP to DHOR, tented top, 9 vias
v15: diameter 0.203, hole 0.102, DHOR to DVERT, tented both sides, 8 vias
v16: diameter 0.203, hole 0.102, TOP to DHOR, tented both sides, 4 vias
v17: diameter 0.305/0.305/0.305/0.305/0.305/0.305 (per signal layer), hole 0.152, DVERT to AVERT, 2 vias
v18: diameter 0.305, hole 0.152, DVERT to AVERT, tented top, 2 vias
v19: diameter 0.305/0/0/0.305/0.305/0.305/0.305/0/0/0.305 (per signal layer), hole 0.152, TOP to BOT, tented both sides, 1 vias

## Nets (pads, with @x,y where several pads share a name; then routed paths per layer and width w, separated by ;. In a path a pad name is that pad's centre, name@x,y a point inside that pad or via, vN(x,y) a via of type N, cw(c..) or ccw(c..) an arc to the next point about the centre after c; other vN are vias at no path point)
+DCDC_IN: C511.2 R521.2 R522.1 U502.2 U502.3 | length 4.9
  TOP w0.102: R522.1@-6.757,13.411 -6.714,13.411 -6.757,13.454 C511.2@-6.757,14.193
  TOP w0.254: R521.2@-8.483,14.173 -6.776,14.173 -6.757,14.193 C511.2@-6.575,14.375 ; C511.2@-6.4,14.55 U502.2@-5.175,14.55 ; C511.2@-6.025,14.05 U502.3@-5.175,14.05
+DVDD: C303.1 C307.2 C308.2 C309.2 C310.2 C312.2 C313.1 C314.1 C315.2 C316.2 C319.1 C320.2 C700.2 C712.2 C1300.2 C1302.2 J301.1 J1300.3 L301.1 M400.2 M801.2 R300.1 R302.2 R303.2 R400.1 R513.1 R514.1 TP700.1 U301.A12 U301.D4 U301.D8 U301.D9 U301.F7 U301.G6 U301.J4 U301.J9 U700.1 U705.4 U1300.1 U1300.5 | length 62.7
  TOP w0.1: C319.1@7.532,23.425 C319.1@8.07,23.425 ; C320.2@8.9,23.33 C320.2@8.93,23.3 ; v1(11.85,23.543) U301.J9@11.85,23.55
  TOP w0.152: C1300.2@7.112,43.058 7.892,43.058 U1300.1@7.9,43.05 U1300.5@8.4,43.55 C1302.2@8.4,44.397
  TOP w0.203: C307.2@10.2,18.1 10.2,19.4 U301.A12@10.35,19.55 ; M400.2@16.184,34.251 16.371,34.251 16.536,34.086 R400.1@16.536,33.553
  TOP w0.254: C319.1@8.07,23.425 8.07,23.383 C319.1@8.123,23.33 ; 12.223,16.32 12.477,16.32 ; 14.295,15.922 C313.1@15.049,15.922 14.898,16.073 14.898,16.973 C314.1@15.049,17.124 14.918,17.256 14.918,17.855 ; 14.919,17.856 14.919,18.101 R302.2@15.919,18.101 ; C712.2@19.673,22.096 19.673,22.88 ; R300.1@20.415,22.18 20.417,22.178 R300.1@20.417,22.175
  DVERT w0.102: v7@-18.737,15.652 -18.732,15.658 -18.503,15.658 -18.423,15.578 v2(-18.396,15.578) ; v7@-15.97,13.089 -15.965,13.095 -15.965,13.396 v2(-15.959,13.401) ; v2(6.812,43.058) v7(6.812,43.389) ; v2(8.099,23.319) 8.105,23.314 8.105,23.013 v7@8.11,23.007 ; v7(8.557,23.643) 8.563,23.637 8.563,23.304 v2(8.568,23.298) ; v7@8.587,19.39 8.593,19.396 8.593,19.696 v2(8.598,19.702) ; v2(8.596,21.809) 8.615,21.79 8.615,21.482 v7(8.639,21.458) ; v2(8.719,44.395) v7(8.719,44.726) ; v7@9.875,27.196 9.877,27.198 9.877,27.508 v2(9.878,27.51) 9.88,27.508 v2@9.938,27.508 ; v2(9.881,26.594) 9.884,26.59 9.884,26.241 v7(9.888,26.238) ; v2(10.665,13.051) 10.665,13.024 10.73,12.958 10.73,12.764 v7@10.774,12.72 ; v7(11.479,21.337) 11.508,21.308 11.508,21.032 11.557,20.982 v2(11.557,20.955) ; v2(12.319,23.546) 12.319,23.518 12.538,23.299 v7(12.538,23.267) ; v7@12.535,21.742 12.541,21.748 12.541,22.048 v2(12.546,22.054) ; v2(12.655,21.046) 12.674,21.067 12.674,21.375 v7(12.706,21.406) ; v2@13.654,22.546 13.659,22.552 13.659,22.852 v7@13.665,22.858 ; v7@14.035,21.358 14.041,21.352 14.041,21.052 v2(14.046,21.046) ; v7@14.035,23.242 14.041,23.248 14.041,23.548 v2(14.046,23.554) ; v2@14.927,26.49 14.933,26.496 14.933,26.797 v7@14.938,26.802 ; v7(16.839,33.225) v2(16.839,33.555) ; v2(18.323,27.104) 18.325,27.107 18.325,27.408 v7@18.328,27.41 ; v7(19.976,21.768) v2(19.976,22.098) ; v7(20.72,21.85) v2(20.72,22.18)
  AVERT w0.102: v7@18.739,31.598 v8@18.739,31.899
  DHOR w0.102: v1@-18.429,15.967 -18.396,15.934 v2(-18.396,15.578) ; v2(-15.959,13.401) -15.957,13.399 -15.658,13.399 v1@-15.656,13.397 ; v2@6.814,43.058 6.815,43.06 7.115,43.06 v1(7.117,43.062) ; v1(7.788,23.324) 7.79,23.322 8.097,23.322 v2(8.099,23.319) ; v1(8.414,44.399) 8.416,44.397 8.715,44.397 v2@8.717,44.395 ; v2@8.569,23.299 v1(8.9,23.3) ; v2(8.596,21.809) 8.601,21.804 8.896,21.804 v1(8.902,21.798) ; v2(8.598,19.702) 8.6,19.7 8.9,19.7 v1(8.903,19.698) ; v2(9.881,26.594) 9.908,26.594 9.982,26.52 v1(10.243,26.52) ; v2@9.882,27.508 10.181,27.508 v1(10.183,27.506) ; v2(10.665,13.051) 10.676,13.039 11.077,13.039 v1(11.089,13.028) ; v2(11.557,20.955) 11.559,20.957 11.731,20.957 11.824,21.05 v1@11.85,21.05 ; v1(11.85,23.543) 11.851,23.545 v2(12.319,23.546) v2(12.319,23.546) ; v1(12.35,21.05) 12.352,21.048 12.652,21.048 v2(12.655,21.046) ; v2(12.546,22.054) 12.548,22.052 12.848,22.052 v1@12.85,22.05 ; v1(13.35,22.55) 13.352,22.548 13.652,22.548 v2@13.654,22.546 ; v2(14.046,21.046) 14.048,21.048 14.348,21.048 v1(14.352,21.05) ; v2(14.046,23.554) 14.048,23.552 14.348,23.552 v1(14.352,23.55) ; v1(14.624,26.494) 14.626,26.492 14.925,26.492 v2@14.927,26.49 ; v1(16.534,33.551) 16.536,33.553 16.836,33.553 v2@16.838,33.555 ; v1(18.013,27.102) 18.014,27.103 18.322,27.103 v2(18.323,27.104) ; v1(19.671,22.094) 19.673,22.096 19.973,22.096 v2@19.975,22.098 ; v1(20.415,22.176) 20.417,22.178 20.717,22.178 v2@20.719,22.18
  AHOR w0.102: v8(18.742,31.902) v12(19.051,31.903)
  BOT w0.102: TP700.1@12.7,17.78 12.738,17.742 12.738,17.17 v11(12.776,17.132) ; 30.531,32.817 31.115,33.401 J1300.3@31.115,33.43 J1300.3@31.115,33.553
  BOT w0.203: v12(19.051,31.903) 29.616,31.902 30.531,32.817 ; J1300.3@31.115,33.553 31.239,33.553 33.194,35.509 44.171,35.509 44.958,34.722 44.958,29.386 44.274,28.702 J301.1@43.053,28.702
  other v1: -15.654,13.397 -18.403,15.895 11.852,21.05 12.852,22.05
  other v2: 13.655,22.546 14.929,26.49
  other v7: 10.769,12.695 -15.975,13.064 -18.762,15.657 8.582,19.365 14.03,21.378 12.53,21.717 13.66,22.878 8.105,22.982 14.03,23.217 14.933,26.822 9.88,27.176 18.323,27.435 18.746,31.571
  other v11: 12.776,16.637 13.131,16.891
+HVIN: C701.1 C702.1 L700.1 TP703.1 U701.5 U706.3 U707.3 | length 3.5
  TOP w0.203: U707.3@3.583,14.217 3.583,14.629 3.833,14.879 3.833,15.522 3.952,15.641 U706.3@4.283,15.641 4.283,15.952
  BOT w0.1: v11@-17.958,23.947 -17.958,23.978 v11@-17.919,24.017 ; v11@-17.907,24.028 v11@-17.919,24.017 ; TP703.1@-17.78,22.86 -17.78,23.713 -17.919,23.852 v11@-17.919,24.017
  other v11: 3.956,15.865 3.708,16.182 4.225,16.176 -18.669,23.947 -18.263,23.947 -17.858,23.947
+HVOUT: C703.1 C704.1 D700.1 R703.1 R706.2 TP704.1 U708.4 | length 7.2
  TOP w0.076: R706.2@-13.42,26.5 -13.42,27.22 v6(-12.7,27.94) ; R706.2@-13.375,26.5 -13.277,26.402 -13.277,25.984
  TOP w0.203: -8.987,25.306 U708.4@-8.529,25.306 -8.529,25.036
  TOP w0.33: D700.1@-12.985,24.5 -12.975,24.51 -10.065,24.51 C704.1@-9.9,24.675 -9.726,24.849 -8.987,24.849
+V_UNREG: C705.1 C706.2 C707.2 C710.2 D703.1 R700.2 R701.1 R704.1 R709.1 TP702.1 TP706.1 U700.4 U702.4 U704.4 U707.4 U709.A2 U710.A2 | length 18.6
  TOP w0.076: D703.1@1.257,14.271 1.257,14.069 D703.1@1.291,14.035
  TOP w0.203: U710.A2@-0.782,2.941 -0.782,3.199 ; 1.575,2.941 U709.A2@1.908,2.941 ; 3.583,12.905 U707.4@3.583,13.317